# Altium PCB RTM_4SFP_3QSFP.PcbDoc (part 3 of 4) (continued)
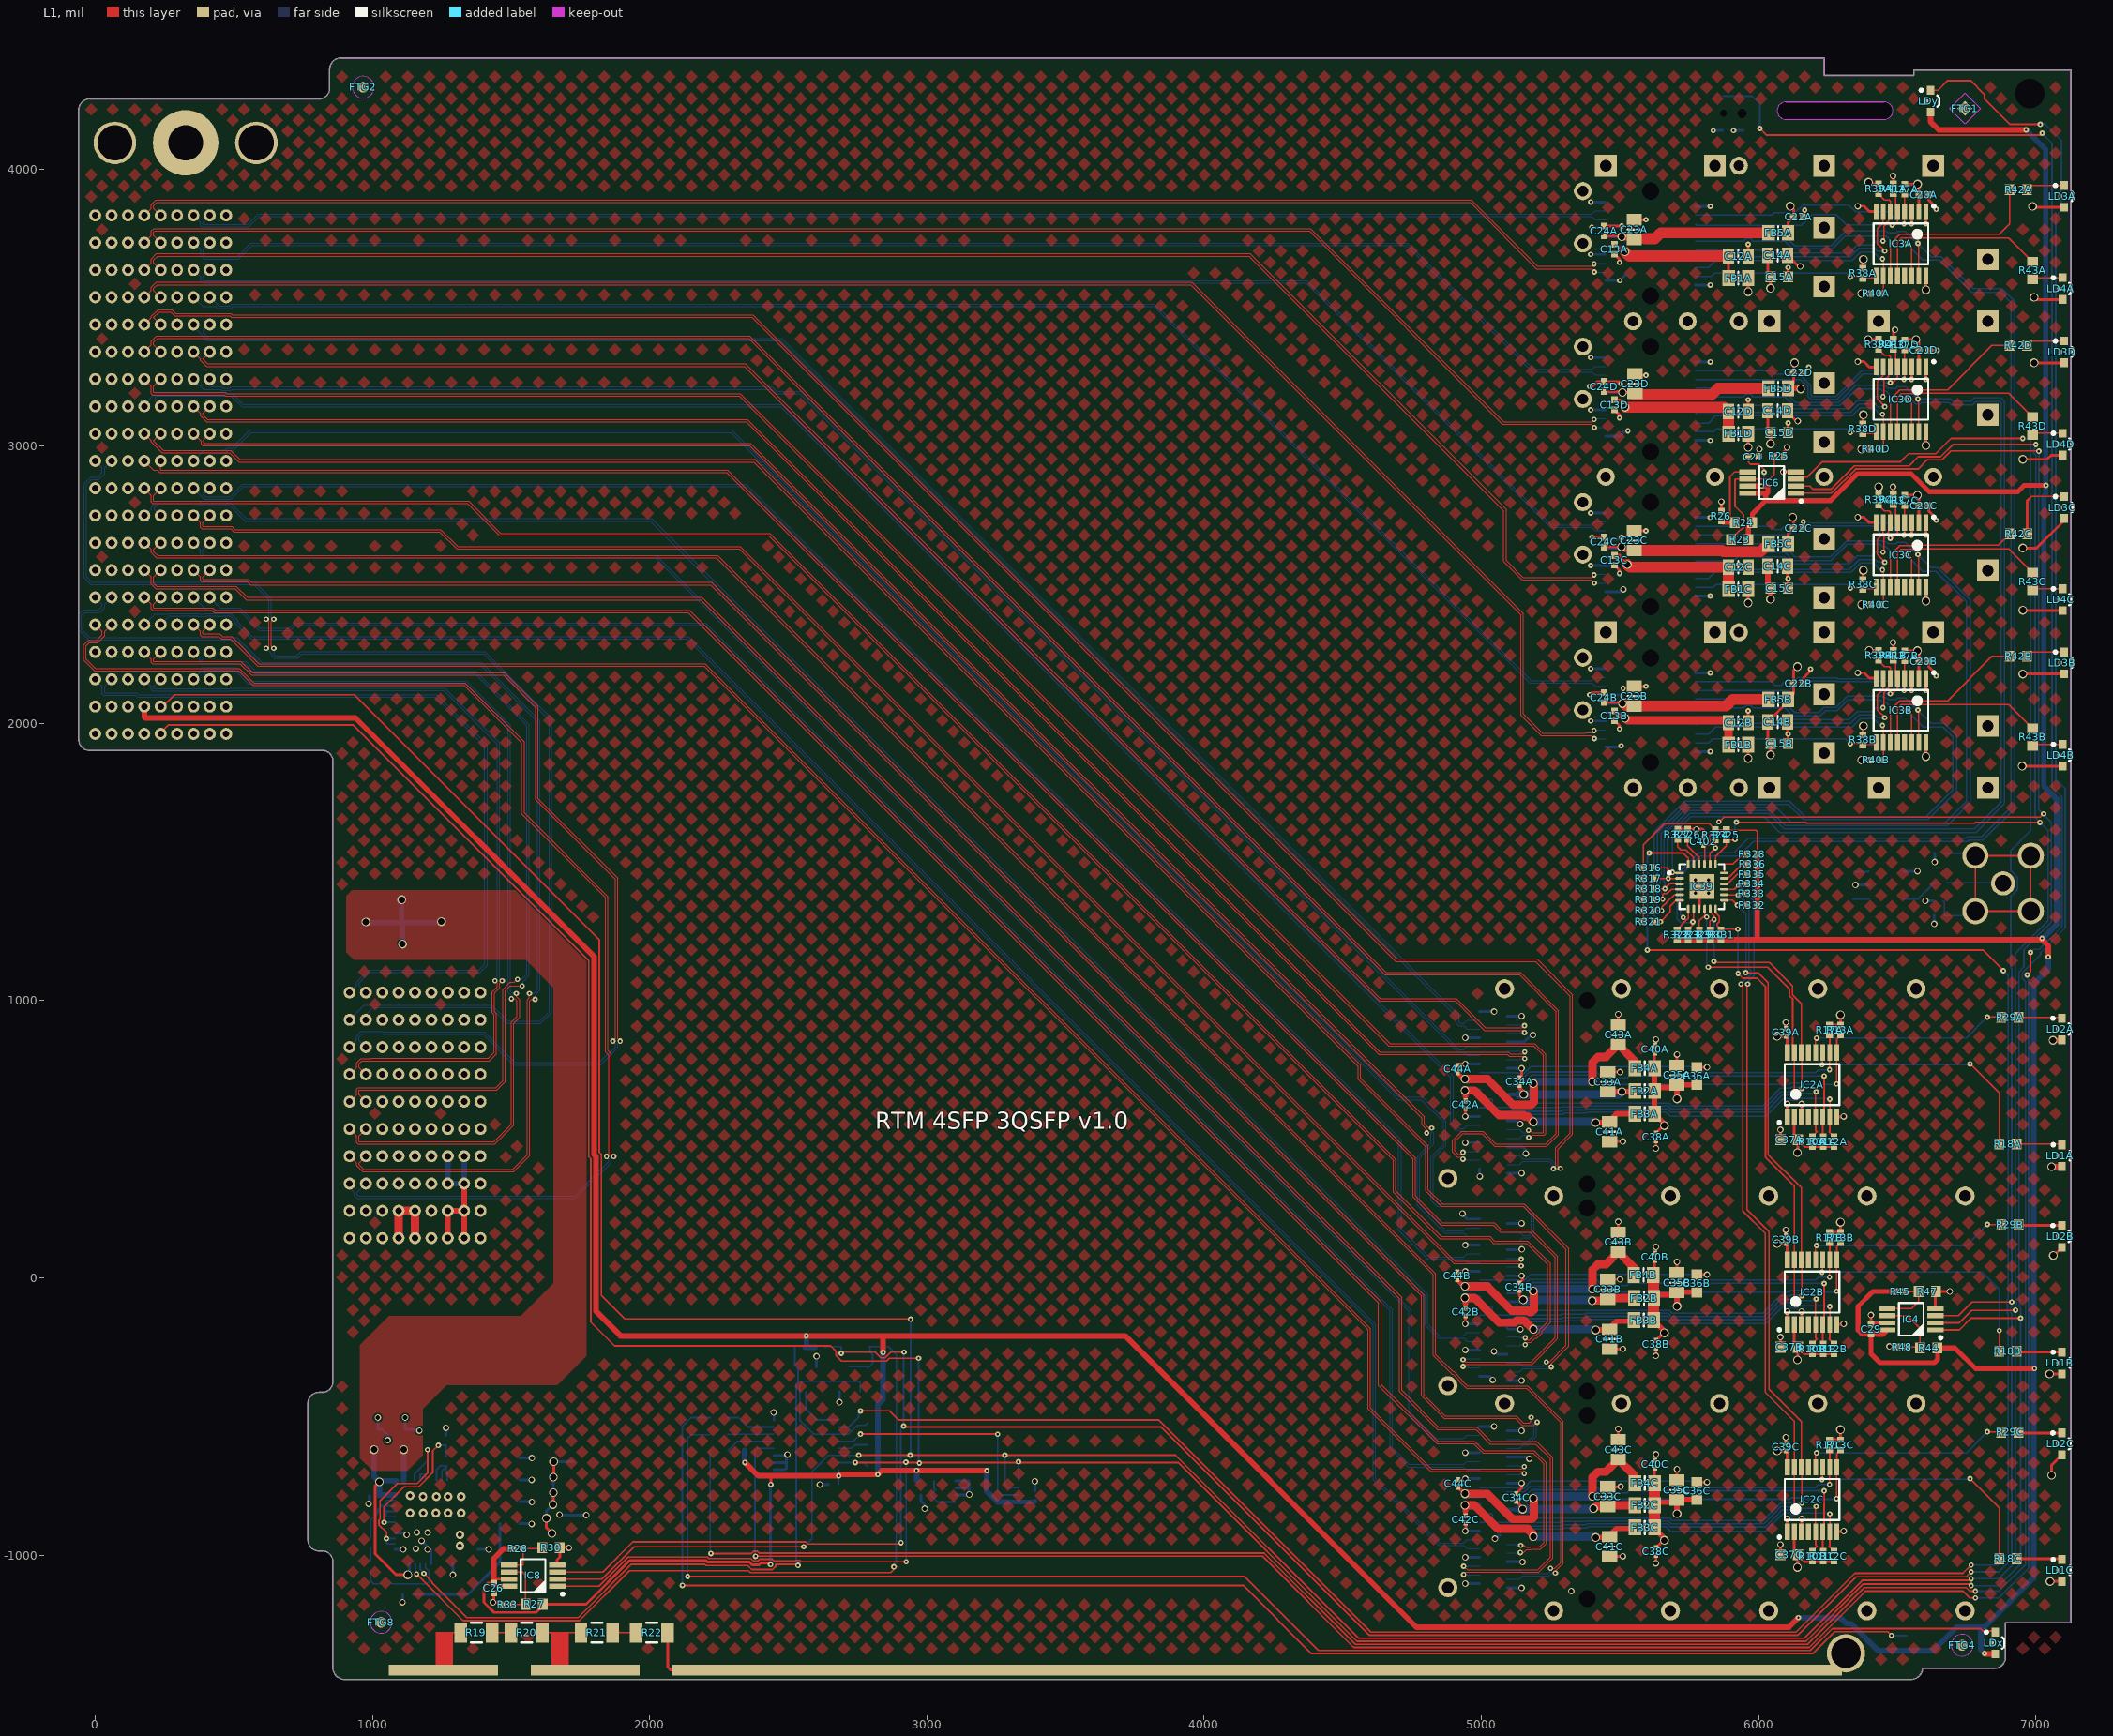
[diagram p0: L1 view]
## Nets (pads, with @x,y where several pads share a name; then routed paths per layer and width w, separated by ;. In a path a pad name is that pad's centre, name@x,y a point inside that pad or via, vN(x,y) a via of type N, cw(c..) or ccw(c..) an arc to the next point about the centre after c; other vN are vias at no path point) (continued)
NetIC2C_11: IC2C.11 R18C.1 | length 912.3
  L1 w5: v1(6229,-727.06) 6231.3,-724.76 IC2C.11@6231.3,-683.07 ; v1(6763,-724.06) 6867.76,-828.83 R18C.1@6867.76,-1012.8
  L4 w5: v1(6229,-727.06) 6760,-727.06 v1(6763,-724.06)
NetIC2C_12: IC2C.12 R29C.1 | length 751.3
  L1 w5: IC2C.12@6205.71,-683.07 6205.71,-634.35 v1(6209,-631.06) ; v1(6825,-555.06) 6873.93,-555.06 R29C.1@6874.97,-556.1
  L4 w5: v1(6209,-631.06) 6749,-631.06 v1(6825,-555.06)
NetIC3A_11: IC3A.11 R42A.1 | length 698.8
  L1 w5: IC3A.11@6475.39,3614.17 6475.39,3729.82 6509.63,3764.06 6560.52,3764.06 6561.05,3764.59 6868.59,3764.59 6905.47,3801.47 R42A.1@6905.47,3924.84
NetIC3A_12: IC3A.12 R43A.1 | length 652
  L1 w5: IC3A.12@6500.99,3614.17 6500.99,3737.21 6514.31,3750.53 6565.2,3750.53 6566.38,3751.71 6901.83,3751.71 R43A.1@6988.19,3665.35
NetIC3B_11: IC3B.11 R42B.1 | length 626.5
  L1 w5: IC3B.11@6475.39,1931.1 6475.39,2046.75 6509.63,2080.98 6560.52,2080.98 6561.05,2081.51 6681.68,2081.51 6841.94,2241.77 R42B.1@6905.47,2241.77
NetIC3B_12: IC3B.12 R43B.1 | length 652
  L1 w5: IC3B.12@6500.99,1931.1 6500.99,2054.13 6514.31,2067.46 6565.2,2067.46 6566.38,2068.64 6901.83,2068.64 R43B.1@6988.19,1982.28
NetIC3C_11: IC3C.11 R42C.1 | length 578.3
  L1 w5: IC3C.11@6475.39,2492.12 6475.39,2607.77 6509.63,2642.01 6560.52,2642.01 6561.05,2642.54 6865.04,2642.54 R42C.1@6906.5,2684
NetIC3C_12: IC3C.12 R43C.1 | length 652
  L1 w5: IC3C.12@6500.99,2492.12 6500.99,2615.16 6514.31,2628.48 6565.2,2628.48 6566.38,2629.66 6901.83,2629.66 R43C.1@6988.19,2543.31
NetIC3D_11: IC3D.11 R42D.1 | length 626.5
  L1 w5: IC3D.11@6475.39,3053.15 6475.39,3168.8 6509.63,3203.03 6560.52,3203.03 6561.05,3203.56 6681.68,3203.56 6841.94,3363.82 R42D.1@6905.47,3363.82
NetIC3D_12: IC3D.12 R43D.1 | length 652
  L1 w5: IC3D.12@6500.99,3053.15 6500.99,3176.18 6514.31,3189.51 6565.2,3189.51 6566.38,3190.69 6901.83,3190.69 R43D.1@6988.19,3104.33
NetIC4_5: IC4.5 R45.1 R47.2 | length 208.7
  L1 w5: IC4.5@6464.3,-110.61 6552.01,-110.61 6577.5,-85.12 R47.2@6577.5,-49 R45.1@6528.72,-49
NetIC4_6: IC4.6 R44.1 R48.2 | length 256.9
  L1 w6: IC4.6@6464.3,-136.2 6537.2,-136.2 6582.5,-181.5 R44.1@6582.5,-253 6578.5,-249 R48.2@6535.72,-249
NetIC6_5: IC6.5 R24.1 R26.2 | length 294.6
  L1 w6: R24.1@5914.5,2724.97 5896.48,2742.99 5896.48,2890.48 5913.39,2907.39 IC6.5@5960.39,2907.39
  L1 w17.72: R26.2@5866,2730.28 5871.32,2724.97 R24.1@5914.5,2724.97
NetIC6_6: IC6.6 R23.1 R25.2 | length 463
  L1 w6: R23.1@5900.5,2664 5900.5,2664.5 5933.28,2697.28 5935.53,2697.28 5946,2707.75 5946,2752.19 5915.19,2783 5915.19,2879.19 5917.8,2881.8 IC6.6@5960.39,2881.8 6040.11,2881.8 6056.28,2897.97 R25.2@6056.28,2964
NetIC8_5: IC8.5 R28.1 R30.2 | length 173.6
  L1 w5: IC8.5@1493.09,-1035.39 1542.61,-1035.39 1543.01,-1034.99 R28.1@1543.01,-976.96 R30.2@1608.52,-976.96
NetIC8_6: IC8.6 R27.1 R33.2 | length 216.1
  L1 w5: IC8.6@1493.09,-1060.98 1541.98,-1060.98 1551.8,-1070.8 R27.1@1551.8,-1176.96 1550.8,-1177.96 R33.2@1505.01,-1177.96
NetIC10_1: IC10.1 R73.1 R75.2 | length 160.4
  L4 w6: R73.1@3026.3,-731.45 3026.3,-760.56 3030.99,-765.25 R75.2@3013.61,-782.63 3039.21,-808.22 IC10.1@3103.05,-808.22
NetIC10_7: IC10.7 IC14.12 R74.1 | length 898.7
  L1 w6: v1(2760.55,-563.45) 3254.45,-563.45 v1(3255,-564)
  L4 w6: IC14.12@2680.56,-589.13 2734.87,-589.13 v1(2760.55,-563.45) R74.1@2786.94,-563.45 ; v1(3255,-564) 3255,-769 3268.63,-782.63 IC10.7@3331.4,-782.63
NetIC14_4: IC14.4 PB1.1 PB1.2 R16.2 | length 11874.5
  L1 w6: v1(2382,-1004) 4210.94,-1004 4539.94,-1333 6182.44,-1333 6385.44,-1130 6737.79,-1130 6762.24,-1154.45 v1(6781.99,-1154.45) ; v1(6005,4146) 6029,4122 7016,4122 v1(7023,4129) ; v1(6968.86,1092.84) 6981,1104.98 v1(6981,1174)
  L4 w6: v1(2382,-1004) 2382,-1009.49 2380.24,-1011.24 R16.2@2380.24,-622.7 2388.23,-614.72 IC14.4@2448.28,-614.72 ; PB1.2@5870.28,4262.79 PB1.1@5943.11,4262.79 5976.21,4262.79 6005,4234 v1(6005,4146) ; v1(6781.99,-1154.45) 6867,-1154.45 6973.84,-1047.61 6973.84,1078.02 6968.86,1083 ; 6965,1083 6968.86,1086.86 v1(6968.86,1092.84) ; v1(6981,1174) 6992.16,1185.16 7012.03,1185.16 7094,1267.13 7094,1735.87 7058.49,1771.38 7058.49,4092.51 7022,4129 v1(7023,4129)
NetIC14_9: IC14.9 T2.3 | length 195.3
  L4 w6: T2.3@2564.42,-410.98 2564.42,-474.42 2602.35,-512.35 IC14.9@2680.56,-512.35
NetIC14_13: IC14.13 R15.2 | length 111.7
  L4 w6: IC14.13@2680.56,-614.72 2728.28,-614.72 2741.08,-601.92 R15.2@2786.94,-601.92
NetIC39_18: IC39.18 R328.2 | length 131.7
  L1 w5: IC39.18@5876.38,1460.83 5876.38,1492.32 5907.87,1492.32 5939.17,1523.62 5939.17,1528.74 R328.2@5958.47,1528.74
NetIC39_22: IC39.22 R326.2 | length 106.7
  L1 w5: R326.2@5744.1,1581.77 5744.1,1559.06 5785.83,1517.33 IC39.22@5785.83,1492.32
NetIC39_23: IC39.23 R327.2 | length 123.5
  L1 w5: R327.2@5708.66,1581.77 5708.66,1556.31 5720.47,1544.5 5737.99,1544.5 5766.14,1516.35 IC39.23@5766.14,1492.32
NetJ2_e2: J2.E2 J2.F1
NetLD1A_1: LD1A.1 R18A.2 | length 164.5
  L1 w5: R18A.2@6930.76,483.27 7091.05,483.27 LD1A.1@7094,480.32
NetLD1B_1: LD1B.1 R18B.2 | length 164.5
  L1 w10: R18B.2@6930.76,-264.76 6933.71,-267.72 LD1B.1@7094,-267.72
NetLD1C_1: LD1C.1 R18C.2 | length 164.5
  L1 w10: R18C.2@6930.76,-1012.8 7091.05,-1012.8 LD1C.1@7094,-1015.75
NetLD2A_2: LD2A.2 R29A.2 | length 157.8
  L1 w5: R29A.2@6937.96,939.96 7091.54,939.96 LD2A.2@7094.49,937.01
NetLD2B_2: LD2B.2 R29B.2 | length 157.8
  L1 w10: R29B.2@6937.96,191.93 6940.91,188.98 LD2B.2@7094.49,188.98
NetLD2C_2: LD2C.2 R29C.2 | length 157.8
  L1 w10: R29C.2@6937.96,-556.1 6940.91,-559.06 LD2C.2@7094.49,-559.06
NetLD3A_1: LD3A.1 R42A.2 | length 140.4
  L1 w5: R42A.2@6968.46,3924.84 6984.21,3940.59 LD3A.1@7102.32,3940.59
NetLD3B_1: LD3B.1 R42B.2 | length 140.4
  L1 w5: R42B.2@6968.46,2241.77 6984.21,2257.52 LD3B.1@7102.32,2257.52
NetLD3C_1: LD3C.1 R42C.2 | length 258.7
  L1 w5: 6977.33,2811.67 6984.21,2818.54 LD3C.1@7102.32,2818.54
  L1 w10: R42C.2@6969.5,2684 6969.5,2803.83 6977.33,2811.67
NetLD3D_1: LD3D.1 R42D.2 | length 140.4
  L1 w5: R42D.2@6968.46,3363.82 6984.21,3379.57 LD3D.1@7102.32,3379.57
NetLD4A_2: LD4A.2 R43A.2 | length 110.5
  L1 w5: R43A.2@6988.19,3602.36 6993.74,3607.91 LD4A.2@7096.42,3607.91
NetLD4B_2: LD4B.2 R43B.2 | length 110.5
  L1 w5: R43B.2@6988.19,1919.29 6993.74,1924.84 LD4B.2@7096.42,1924.84
NetLD4C_2: LD4C.2 R43C.2 | length 110.5
  L1 w5: R43C.2@6988.19,2480.31 6993.74,2485.86 LD4C.2@7096.42,2485.86
NetLD4D_2: LD4D.2 R43D.2 | length 110.5
  L1 w5: R43D.2@6988.19,3041.34 6993.74,3046.89 LD4D.2@7096.42,3046.89
NetR4_1: R4.1 R5.2 | length 76.9
  L4 w6: R4.1@993.74,-1057.02 993.74,-1092.9 1004.32,-1103.48 R5.2@1030.35,-1103.48
NetR19_2: R19.2 R20.1 | length 67.5
  L1 w6: R19.2@1432.01,-1279.53 R20.1@1499.48,-1279.53
NetR21_2: R21.2 R22.1 | length 61.8
  L1 w6: 1889.76,-1277.56 1891.73,-1279.53 R22.1@1950.79,-1279.53
P2_BLUE: LDy.2 R7.2 | length 11201.2
  L1 w6: v1(2221,-994) 2366.77,-994 2374.61,-986.16 2389.39,-986.16 2396.23,-993 4216.91,-993 4545.91,-1322 6176.6,-1322 6381.6,-1117 6748.92,-1117 6761.69,-1129.76 v1(6781.99,-1129.76) ; LDy.2@6620,4284.37 6647.37,4284.37 6682,4319 6765.08,4319 6814.68,4269.41 6814.68,4253.16 6906.84,4161 v1(7016,4161)
  L4 w6: R7.2@2217.96,-622.71 2217.96,-990.96 v1(2221,-994) ; v1(6781.99,-1129.76) 6867,-1129.76 6962.84,-1033.92 6962.84,1068.92 6951.02,1080.74 6951.02,1100.23 7018,1167.21 7018,1174.16 7106,1262.16 7106,1765.02 7071.67,1799.35 7071.67,3829.7 7092,3850.03 7092,4104 7035,4161 v1(7016,4161)
P3_GREEN: LDx.2 R8.2 | length 5451.1
  L1 w6: v1(2137,-1077) 4145,-1077 4412,-1344 6187,-1344 6266,-1265 6800.97,-1265 6808.99,-1273.01 6849.78,-1273.01 LDx.2@6854.33,-1277.56
  L4 w6: v1(2137,-1077) 2137,-578 2149.74,-565.26 R8.2@2217.96,-565.26
P3V3: C1.2 C2.2 C3.2 C4.2 C5.1 C9.2 C14A.1 C14B.1 C14C.1 C14D.1 C15A.2 C15B.2 C15C.2 C15D.2 C20A.1 C20B.1 C20C.1 C20D.1 C22A.1 C22B.1 C22C.1 C22D.1 C35A.1 C35B.1 C35C.1 C36A.2 C36B.2 C36C.2 C37A.2 C37B.2 C37C.2 C38A.1 C38B.1 C38C.1 C39A.1 C39B.1 C39C.1 C40A.1 C40B.1 C40C.1 FB1A.1 FB1B.1 FB1C.1 FB1D.1 FB2A.1 FB2B.1 FB2C.1 FB3A.1 FB3B.1 FB3C.1 FB4A.1 FB4B.1 FB4C.1 FB5A.1 FB5B.1 FB5C.1 FB5D.1 IC1.12 IC1.13 IC1.14 IC1.15 IC1.16 IC1.17 IC1.18 IC1.19 IC1.20 IC1.21 IC2A.2 IC2A.16 IC2B.2 IC2B.16 IC2C.2 IC2C.16 IC3A.2 IC3A.16 IC3B.2 IC3B.16 IC3C.2 IC3C.16 IC3D.2 IC3D.16 LD1A.2 LD1B.2 LD1C.2 LD2A.1 LD2B.1 LD2C.1 LD3A.2 LD3B.2 LD3C.2 LD3D.2 LD4A.1 LD4B.1 LD4C.1 LD4D.1 R1.2 R10A.1 R10B.1 R10C.1 R11A.1 R11B.1 R11C.1 R12A.1 R12B.1 R12C.1 R13A.1 R13B.1 R13C.1 R17A.1 R17B.1 R17C.1 R37A.2 R37B.2 R37C.2 R37D.2 R38A.2 R38B.2 R38C.2 R38D.2 R39A.2 R39B.2 R39C.2 R39D.2 R40A.2 R40B.2 R40C.2 R40D.2 | length 7628
  L1 w10: v3(1627.61,-866.93) 1627.61,-901.42 v3(1647.61,-921.42) ; v3(1650.61,-817.42) 1652.61,-815.42 v3(1652.61,-774.42) ; v3(1652.61,-718.42) 1653.61,-717.42 v3(1653.61,-662.89) ; FB4C.1@5624.43,-730.63 C40C.1@5624.43,-685.62 ; FB4B.1@5624.43,17.4 C40B.1@5624.43,62.41 ; FB4A.1@5624.43,756.91 C40A.1@5624.43,810.44 ; C38C.1@5630,-973.28 5656.89,-946.39 v3(5660,-946.39) ; C38B.1@5630,-225.25 5656.89,-198.36 v3(5660,-198.36) ; C38A.1@5630,522.78 5656.89,549.67 v3(5660,549.67) ; v3(5962.6,1873.93) FB1B.1@5962.6,1923.23 ; v3(5962.6,2434.96) FB1C.1@5962.6,2484.25 ; v3(5962.6,2995.98) FB1D.1@5962.6,3045.27 ; v3(5962.6,3557.01) FB1A.1@5962.6,3606.3 ; C14D.1@6033.47,3127.95 6033.47,3059.05 C15D.2@6043.31,3049.21 v3(6043.31,3008.78) ; C14A.1@6033.47,3688.98 6033.47,3620.08 C15A.2@6043.31,3610.24 v3(6043.31,3569.8) ; v3(6043.31,1886.73) C15B.2@6043.31,1927.16 6033.47,1937.01 C14B.1@6033.47,2005.9 6106.3,2078.74 FB5B.1@6106.3,2086.61 6125.99,2106.3 C22B.1@6125.99,2143.7 6125.99,2190.49 v3(6140.19,2204.69) ; v3(6066.93,-624.02) C39C.1@6098.43,-624.02 6103.35,-628.94 IC2C.16@6103.35,-683.07 ; v3(6066.93,124.02) C39B.1@6098.43,124.02 6103.35,119.09 IC2B.16@6103.35,64.96 ; v3(6066.93,872.05) C39A.1@6098.43,872.05 6103.35,867.13 IC2A.16@6103.35,812.99 ; FB5C.1@6106.3,2647.64 6106.3,2685.04 C22C.1@6125.99,2704.72 6125.99,2751.51 6123,2748.53 v3(6123,2744.09) ; FB5D.1@6106.3,3208.66 6125.99,3228.35 C22D.1@6125.99,3265.75 6125.99,3297.02 v3(6129.96,3301) ; FB5A.1@6106.3,3769.68 6106.3,3807.09 C22A.1@6125.99,3826.77 6125.99,3854.01 v3(6114,3866) ; IC2C.2@6128.94,-915.35 6128.94,-985.5 C37C.2@6141.5,-998.06 ; IC2B.2@6128.94,-167.32 6128.94,-237.47 C37B.2@6141.5,-250.03 ; IC2A.2@6128.94,580.71 6128.94,510.56 C37A.2@6141.5,498 ; v3(6140.19,-1044.06) 6141.5,-1042.76 C37C.2@6141.5,-998.06 ; v3(6140.19,-296.03) 6141.5,-294.72 C37B.2@6141.5,-250.03 ; v3(6140.19,452) 6141.5,453.31 C37A.2@6141.5,498 ; R17C.1@6255.91,-583.86 R13C.1@6295.28,-583.86 v3(6295.28,-547.24) ; R17B.1@6255.91,164.17 R13B.1@6295.28,164.17 v3(6295.28,200.79) ; R17A.1@6255.91,912.2 R13A.1@6295.28,912.2 v3(6295.28,948.82) ; R12C.1@6271.65,-1022.44 R11C.1@6232.78,-1022.44 6165.87,-1022.44 C37C.2@6141.5,-998.06 ; R12B.1@6271.65,-274.41 R11B.1@6232.78,-274.41 6165.87,-274.41 C37B.2@6141.5,-250.03 ; R12A.1@6271.65,473.62 R11A.1@6232.78,473.62 6165.87,473.62 C37A.2@6141.5,498 ; v3(6372.04,1867.75) R40B.2@6404.68,1867.75 ; v3(6372.04,2428.78) R40C.2@6404.68,2428.78 ; v3(6372.04,2989.8) R40D.2@6404.68,2989.8 ; v3(6372.04,3550.83) R40A.2@6404.68,3550.83 ; R38B.2@6375.94,1959.09 6375.94,1989.13 v3(6377.95,1991.14) ; R38C.2@6375.94,2520.12 6375.94,2550.15 v3(6377.95,2552.16) ; R38D.2@6375.94,3081.14 6375.94,3111.18 v3(6377.95,3113.19) ; R38A.2@6375.94,3642.16 6375.94,3672.2 v3(6377.95,3674.21) ; v3(6395.63,3384.29) 6431.06,3384.29 R39D.2@6433.03,3386.26 ; v3(6396.66,3952) 6401.38,3947.28 R39A.2@6433.03,3947.28 ; v3(6399,2263.42) 6424.47,2263.42 R39B.2@6425.26,2264.21 ; 6417.49,2264.21 R39B.2@6425.26,2264.21 ; R39C.2@6431.06,2823.27 R39C.2@6433.03,2825.23 6433.03,2852.98 v3(6433.08,2853.03) ; R39B.2@6433.03,2264.21 R39B.2@6425.26,2264.21 ; R37B.2@6527.52,2262.24 v3(6572.76,2262.24) 6578.74,2256.26 C20B.1@6578.74,2224.41 6577.76,2223.42 IC3B.2@6577.76,2163.38 ; R37C.2@6527.52,2823.27 v3(6572.78,2823.27) 6577.76,2818.29 IC3C.2@6577.76,2724.41 ; R37D.2@6527.52,3384.29 v3(6567.92,3384.29) 6578.74,3373.47 C20D.1@6578.74,3346.46 6578.74,3286.42 IC3D.2@6577.76,3285.43 ; R37A.2@6527.52,3945.31 v3(6573.8,3945.31) 6578.74,3940.37 6578.74,3923.93 6577.76,3922.94 IC3A.2@6577.76,3846.46 ; v3(6603.35,1880.82) IC3B.16@6603.35,1931.1 ; v3(6603.35,2441.85) IC3C.16@6603.35,2492.12 ; v3(6603.35,3002.87) IC3D.16@6603.35,3053.15 ; v3(6603.35,3563.9) IC3A.16@6603.35,3614.17 ; v3(6951.02,1846.32) 6951.24,1846.1 LD4B.1@7096.42,1846.1 ; v3(6953,2178.2) 6953.58,2178.78 LD3B.2@7102.32,2178.78 ; v3(6953,2408.61) 6954.48,2407.12 LD4C.1@7096.42,2407.12 ; v3(6953,2632.87) 7002.84,2632.87 7102.32,2732.36 LD3C.2@7102.32,2739.8 ; v3(6953,2952.76) 7040.36,2952.76 7055.13,2967.52 7095.79,2967.52 LD4D.1@7096.42,2968.15 ; v3(6988.19,3865.16) 6991.5,3861.85 LD3A.2@7102.32,3861.85 ; v3(6993.74,3301) 6993.91,3300.83 LD3D.2@7102.32,3300.83 ; v3(6993.74,3537.4) 7001.97,3529.17 LD4A.1@7096.42,3529.17 ; v3(7049.46,-346.46) LD1B.2@7094,-346.46 ; v3(7051,-1095) 7051.51,-1094.49 LD1C.2@7094,-1094.49 ; v3(7057.09,-711.69) 7057.09,-675.2 LD2C.1@7094.49,-637.8 ; v3(7063,81) 7065.25,81 LD2B.1@7094.49,110.24
  L1 w19.68: FB3C.1@5624.43,-904.06 5660,-939.63 v3(5660,-946.39) ; FB3B.1@5624.43,-156.03 5660,-191.6 v3(5660,-198.36) ; FB4A.1@5624.43,756.91 FB2A.1@5624.43,674.45 ; FB2C.1@5636.94,-809.11 5697.05,-809.11 C35C.1@5705.66,-800.5 ; FB2B.1@5636.94,-61.08 5697.05,-61.08 C35B.1@5705.66,-52.46 ; v3(5660,549.67) 5660,556.43 FB3A.1@5624.43,592 FB2A.1@5624.43,674.45 ; v3(5705.66,-850.41) C35C.1@5705.66,-800.5 ; v3(5705.66,-102.37) C35B.1@5705.66,-52.46 ; v3(5705.66,645.66) C35A.1@5705.66,695.57 ; C36C.2@5777.69,-799.56 5706.59,-799.56 C35C.1@5705.66,-800.5 ; C36B.2@5777.69,-51.53 5706.59,-51.53 C35B.1@5705.66,-52.46 ; C36A.2@5777.69,696.5 5706.59,696.5 C35A.1@5705.66,695.57 ; v3(7057.09,401) 7057.66,401.58 LD1A.2@7094,401.58 ; v3(7062,857) 7093.22,857 LD2A.1@7094.49,858.27 ; FB2A.1@5624.43,674.45 5636.94,686.95 5697.05,686.95 C35A.1@5705.66,695.57
  L1 w20: C14C.1@6033.47,2566.93 6033.47,2498.03 C15C.2@6043.31,2488.19 v3(6043.31,2447.75) ; FB5D.1@6106.3,3208.66 6150.34,3208.66 v3(6152,3207)
  L1 w40: FB4B.1@5620.43,11 5620.43,-151 FB3B.1@5621.43,-152 ; FB3C.1@5624.43,-900 FB2C.1@5624.43,-820 FB4C.1@5624.43,-740
  L4 w10: R1.2@1147.27,-1141.66 1344.24,-1141.66 1460.28,-1025.63 C1.2@1460.28,-885.96 ; v3(1627.61,-866.93) 1627.61,-840.42 v3(1650.61,-817.42) ; v3(1652.61,-774.42) v3(1652.61,-718.42) ; v3(1653.61,-662.89) 1653.97,-662.53 C5.1@1726.02,-662.53 ; v3@7048,-345 v3(7049.46,-346.46)
P3V3MP: C21.1 C25.1 C26.1 C27.1 C29.1 C402.2 IC4.8 IC6.7 IC6.8 IC8.7 IC8.8 IC10.8 IC14.16 IC39.21 J2.C2 LDx.1 LDy.1 LED17.A R14.1 R15.1 R16.1 R23.2 R24.2 R27.2 R28.2 R31.1 R32.1 R34.1 R35.1 R36.1 R44.2 R45.2 R46.1 R73.2 R74.2 R316.2 R317.2 R318.2 R319.2 R320.2 R321.2 R322.2 R323.2 R324.2 R325.2 R328.1 R329.2 R330.2 R331.2 R332.2 R333.2 R334.2 R335.2 R336.2 | length 24279.3
  L1 w5: R321.2@5584.67,1285.43 R317.2@5584.67,1441.14 R316.2@5584.67,1480.31 5584.67,1562.29 5661.07,1638.7 5822.73,1638.7 R324.2@5844.5,1616.93 ; R323.2@5745.47,1219.49 R330.2@5826.57,1219.49 R331.2@5864.38,1219.49 5864.44,1219.43 5894,1219.43 ; IC39.21@5805.51,1492.32 5805.51,1556.69 C402.2@5801.18,1561.03 5824.81,1561.03 5824.81,1563.96 5823.79,1564.98 5823.79,1595.88 5824.81,1596.9 5824.81,1597.24 R324.2@5844.5,1616.93 ; R328.1@5995.47,1528.74 5995.47,1609.69 5990.51,1614.66 5886.33,1614.66 R325.2@5884.06,1616.93 R324.2@5844.5,1616.93
  L1 w6: C21.1@5964.28,2961 5964.28,2940.92 5970.2,2935 6001,2935 6020,2916 v1(6020,2906)
  L1 w10: 1437.29,-1083.13 1440.72,-1086.57 IC8.7@1493.09,-1086.57 ; IC8.8@1493.09,-1112.16 1448.2,-1112.16 C26.1@1437.29,-1101.24 1415.31,-1101.24 1402,-1114.55 1402,-1170 1438.65,-1206.65 1590.35,-1206.65 1614.79,-1182.21 R27.2@1614.79,-1176.96 1770.74,-1176.96 1927.69,-1020.01 2203.4,-1020.01 2208.22,-1024.84 2359.22,-1024.84 2369.22,-1034.84 2394.78,-1034.84 2401.62,-1028 2430,-1028 v1(2436,-1034) ; 2435,-714 2437,-716 v1(2437,-745.26)
  L1 w17.72: IC6.8@5960.39,2830.61 6020.39,2830.61 6026,2825 ; IC6.7@5960.39,2856.2 v1(6011.2,2856.2) 6033.47,2856.2 6033.47,2832.47 6026,2825 ; R23.2@5963.5,2664 5963.5,2710.97 R24.2@5977.5,2724.97 5977.5,2755.76 6026,2804.26 ; IC4.8@6464.3,-187.39 6447.57,-204.12 6428.06,-204.12 6426.1,-202.15 C29.1@6406.02,-202.15 ; R45.2@6493.28,-49 6412.27,-49 6359,-102.27 6359,-188 6373.15,-202.15 C29.1@6406.02,-202.15 ; v1(6995,-327) 6782.45,-327 6708.45,-253 R44.2@6645.5,-253 6645.5,-294.56 6634.05,-306 6438.26,-306 6406.02,-273.76 C29.1@6406.02,-202.15 ; v1(7037,2859) 6958,2859 6935,2836 6615,2836 6550,2901 6357,2901 6260.26,2804.26 6026,2804.26 ; 6026,2804.26 6026,2825
  L1 w20: J2.C2@177.17,2061.02 177.17,2023.78 180.95,2020 938.46,2020 1799,1159.46 1799,445.65 1806.72,437.93 1806.72,-120.72 1895,-209 v1(2565,-209) 2842,-209 ; C26.1@1437.29,-1101.24 1437.29,-1083.13 1437.29,-1012.67 1473,-976.96 R28.2@1507.57,-976.96 ; v1(2343.24,-665.76) 2391.47,-714 2435,-714 v1(2682,-714) 2687,-709 v1(2823,-709) 2837,-695 v1(3216,-695) ; v1(2842,-269) 2842,-209 ; R322.2@5705.84,1219.49 5706.82,1220.47 5995.47,1220.47 R332.2@5995.47,1344.68 R328.1@5995.47,1528.74 ; 5894,1219.43 7023.57,1219.43 7045.13,1197.87 v1(7045.13,1158) ; v1(6143.7,-1225.44) 6109.14,-1260 4766,-1260 3715,-209 2842,-209 ; LDy.1@6620,4205.63 6620,4171 6650,4141 v1(6965,4141) ; v1(6815,-1354.33) 6816.97,-1356.3 LDx.1@6854.33,-1356.3
  L4 w6: C27.1@2680.56,-743.65 IC14.16@2680.56,-691.49 ; v1(6011.2,2856.2) 6020,2865 v1(6020,2906)
  L4 w10: v1(2436,-1034) 2436,-746.26 v1(2437,-745.26)
  L4 w17.72: 3294,-808.22 IC10.8@3331.4,-808.22 3386.5,-808.22 C25.1@3390,-804.72
  L4 w20: v1(2343.24,-665.76) R16.1@2343.24,-622.7 ; R46.1@2560.29,-250.5 R46.1@2565,-245.78 ; v1(2565,-209) R46.1@2565,-245.78 ; R34.1@2596.11,-250.5 2569.71,-250.5 R46.1@2565,-245.78 ; v1(2823,-709) 2823,-697 2823.16,-696.84 2823.16,-601.92 R14.1@2823.16,-523.18 R36.1@2823.16,-479.63 2823.16,-456.84 2841.66,-438.34 R35.1@2841.66,-307.63 2841.66,-269.34 v1(2842,-269) ; v1(2963,-694) 2963.31,-694.31 R73.2@2963.31,-731.45 ; v1(3216,-695) 3216,-770 3254.22,-808.22 3294,-808.22 ; v1(6143.7,-1225.44) 6294.86,-1225.44 6316.7,-1247.28 6334.28,-1247.28 6432,-1345 LED17.A@6535,-1345 6629,-1345 6713.53,-1260.47 6796.45,-1260.47 ; v1(6815,-1354.33) 6801.93,-1341.26 6801.93,-1265.95 6796.45,-1260.47 ; v1(6965,4141) 7035.84,4070.16 7035.84,2826.18 7029,2819.34 7029,1774 7075,1728 7075,1275 v1@7023.5,1223.5 ; v1(7045.13,1158) 7045.13,1113.94 6992.14,1060.96 6992.14,-1081.86 6813.53,-1260.47 6796.45,-1260.47
  other v1: 7022,1225
P4_RED: LED17.K R9.2 | length 5244.3
  L1 w6: v1(2118,-1109) 4141,-1109 4387,-1355 6195,-1355 6274,-1276 6465,-1276 v1(6479,-1290)
  L4 w6: v1(2118,-1109) 2118,-535 2149.31,-503.69 R9.2@2217.96,-503.69 ; v1(6479,-1290) LED17.K@6535,-1290
P7V0_URFB: J8.E7 J8.E8 J8.E9 J8.E10 J8.F7 J8.F8 J8.F9 J8.F10 | length 610.2
  L1 w19.68: J8.E10@1271.65,143.7 J8.E9@1271.65,242.13 J8.F9@1330.71,242.13 ; J8.F10@1330.71,143.7 J8.F9@1330.71,242.13 ; J8.F8@1330.71,340.55 J8.F9@1330.71,242.13
  L4 w19.68: J8.E7@1271.65,438.98 J8.E8@1271.65,340.55 J8.F8@1330.71,340.55 J8.F7@1330.71,438.98
P12V0: C6.2 C7.2 C8.2 F1.2 IC1.1 IC1.2 IC1.39 IC1.52 | length 1300.3
  L1 w10: v3(1025.24,-735.62) 1009.08,-751.77 1009.08,-994.59 1085.53,-1071.05 v3(1127.58,-1071.05)
  L1 w20: v3@1105.44,1207.1 v3(1108.27,1204.27)
  L4 w10: 1080.34,-731.43 IC1.1@1093.13,-731.43 ; v3@1132.5,-1066.12 1132.5,-1054.27 IC1.39@1132.5,-1030.64
  L4 w20: v3(976.38,1284.33) 979.21,1281.5 F1.2@1108.27,1281.5 ; v3(1005.55,-619.47) 1005.55,-715.93 1021.05,-731.43 1080.34,-731.43 ; v3(1025.24,-735.62) C8.2@1025.24,-784.58 1027.21,-782.61 IC1.52@1081.32,-782.61 ; v3(1105.44,1364.37) 1105.44,1284.33 F1.2@1108.27,1281.5 ; v3(1108.27,1204.27) F1.2@1108.27,1281.5 ; IC1.2@1112.82,-731.43 v3(1112.82,-619.47) ; v3(1249,1285.43) 1245.07,1281.5 F1.2@1108.27,1281.5
QSFP_SCLA: IC2A.14 IC39.11 J5A.11 R330.1 | length 2043.2
  L1 w5: IC39.11@5825.2,1330.9 5825.2,1320.78 5832.34,1313.64 5832.34,1312.93 ; R330.1@5826.57,1256.5 5825.2,1257.87 5825.2,1286.26 v1@5832.34,1293.4 ; 6016,1138 6039,1138 6123,1054 6123,1021 6154.53,989.47 IC2A.14@6154.53,812.99 6162.76,804.76 6162.76,804 6156,797.24 v1(6156,684)
  L1 w6: 5831.99,1313.28 5832.34,1312.93 5839.6,1305.67 5839.6,1293.4 v1(5840,1293) ; v1(5839,1142) 5843,1138 6016,1138
  L4 w5: J5A.11@5092.72,629.92 5678.6,629.92 5688.11,620.41 6015.33,620.41 6056,661.08 6056,662.08 6077.92,684 6113.5,684 6116.85,687.34 6152.66,687.34 v1(6156,684)
  L4 w6: v1(5839,1142) 5839,1292.37 5839.63,1293 v1(5840,1293)
QSFP_SCLB: IC2B.14 IC39.13 J5B.11 R332.1 | length 2723.2
  L1 w5: IC39.13@5876.38,1362.4 5905.71,1362.4 v1(5923.43,1344.68) R332.1@5958.47,1344.68 ; v1(5954.23,1101) 5999,1101 6035.15,1064.85 6035.15,444.85 6154.53,325.47 IC2B.14@6154.53,64.96 6162.76,56.73 6162.76,55.97 6156,49.21 v1(6156,-64.03)
  L4 w5: J5B.11@5092.72,-118.11 5678.6,-118.11 5688.11,-127.62 6015.33,-127.62 6056,-86.95 6056,-85.95 6077.92,-64.03 6113.5,-64.03 6116.85,-60.69 6152.66,-60.69 v1(6156,-64.03) ; v1(5923.43,1344.68) 5954.23,1313.88 v1(5954.23,1101)
QSFP_SCLC: IC2C.14 IC39.15 J5C.11 R334.1 | length 3526.9
  L1 w5: IC39.15@5876.38,1401.77 5912.21,1401.77 v1@5926.72,1416.28 ; v1@5931.9,1421.46 R334.1@5957.28,1421.46 ; v1(5961,1060.04) 5958,1057.04 5958,247 6038,167 6038,-401 6154.53,-517.53 IC2C.14@6154.53,-683.07 6162.76,-691.3 6162.76,-692.06 6156,-698.82 v1(6156,-812.06)
  L4 w5: J5C.11@5092.72,-866.14 5678.6,-866.14 5688.11,-875.65 6015.33,-875.65 6056,-834.98 6056,-833.98 6077.92,-812.06 6113.5,-812.06 6116.85,-808.72 6152.66,-808.72 v1(6156,-812.06) ; v1(5928,1415) 5983.5,1359.5 5983.5,1090.19 5961,1067.69 v1(5961,1060.04)
QSFP_SDAA: IC2A.15 IC39.10 J5A.12 R329.1 | length 2074.7
  L1 w5: R329.1@5786.42,1256.5 5786.42,1287.78 v1@5805.51,1306.88 ; IC39.10@5805.51,1330.9 v1@5805.51,1306.88 ; v1(5813,1302) 5812.39,1302 5811.39,1301 v1@5805.51,1306.88 ; v1(5818.29,1121) 6033,1121
  L1 w6: 6033,1121 6112.5,1041.5 6112.5,1016.65 6123.5,1005.65 6123.5,818.43 IC2A.15@6128.94,812.99 6128.94,658.06 v1(6129,658)
  L4 w5: v1(5818.29,1121) 5813,1126.29 v1(5813,1302) 5817.29,1302 v1@5818.29,1301
  L4 w6: J5A.12@5092.72,598.43 5095.3,601 5289.56,601 5294.19,605.63 5377.05,605.63 5380.85,609.42 5670.1,609.42 5681.62,597.91 6024.65,597.91 6078.5,651.76 6078.5,652.76 6085.24,659.5 6094.76,659.5 6095.41,658.86 6116.52,658.86 6121.38,654 6125.38,658 v1(6129,658)
QSFP_SDAB: IC2B.15 IC39.12 J5B.12 R331.1 | length 2689.6
  L1 w5: IC39.12@5844.88,1330.9 5844.88,1316.65 5858.34,1303.19 5858.34,1285.4 5849.67,1276.73 5849.67,1271.2 R331.1@5864.38,1256.5
  L1 w6: R331.1@5864.38,1256.5 5865.88,1258 v1(5925,1258) ; v1(5926,1098) 5943,1081 5995.07,1081 6024.65,1051.42 6024.65,435.35 6128.94,331.06 IC2B.15@6128.94,64.96 6128.94,-89.97 v1(6129,-90.03)
  L4 w6: J5B.12@5092.72,-149.61 5095.3,-147.03 5289.56,-147.03 5294.19,-142.4 5377.05,-142.4 5380.85,-138.61 5670.1,-138.61 5681.62,-150.12 6024.65,-150.12 6078.5,-96.27 6078.5,-95.27 6085.24,-88.53 6094.76,-88.53 6095.41,-89.17 6116.52,-89.17 6121.38,-94.03 6125.38,-90.03 v1(6129,-90.03) ; v1(5925,1258) 5925,1099 v1(5926,1098)
QSFP_SDAC: IC2C.15 IC39.14 J5C.12 R333.1 | length 3495
  L1 w5: IC39.14@5876.38,1382.09 5927.17,1382.09 5952.56,1382.09 R333.1@5957.28,1386.81
  L1 w6: v1(5936,1060) 5940.04,1060 5943.16,1056.88 5943.16,241.84 6024,161 6024,-412.46 6128.94,-517.4 IC2C.15@6128.94,-683.07 6128.94,-838 v1(6129,-838.06)
  L4 w6: J5C.12@5092.72,-897.64 5095.3,-895.06 5289.56,-895.06 5294.19,-890.43 5377.05,-890.43 5380.85,-886.64 5670.1,-886.64 5681.62,-898.15 6024.65,-898.15 6078.5,-844.3 6078.5,-843.3 6085.24,-836.56 6094.76,-836.56 6095.41,-837.2 6116.52,-837.2 6121.38,-842.06 6125.38,-838.06 v1(6129,-838.06) ; v1(5927.17,1381) 5964.73,1343.44 5964.73,1115.73 5972.07,1108.39 5972.07,1093.61 5961.62,1083.16 5958.89,1083.16 5936,1060.27 v1(5936,1060)
QSFP_VCC1A: C43A.1 C44A.1 FB4A.2 J5A.30 | length 952.8
  L1 w15.75: C44A.1@4914,739.22 v3@4927.44,725.78 ; v3@4940.51,716.54 v3@4941.51,716.54
  L1 w30: v3(4940.51,717.54) 5021.46,717.54 5115,624 5179.14,624 5189,633.86 5189,699 v3(5187.01,700.99) ; v3(5401,708) 5401,777 5421,797 5449.43,797 C43A.1@5494,841.57 5551.09,784.47 5551.09,756.91 FB4A.2@5553.57,756.91
  L4 w13.78: v3@4950.46,708.66 J5A.30@4993.9,708.66
  L4 w19.68: v3(4940.51,717.54) 4949.39,708.66 v3@4950.46,708.66
  L4 w30: v3(5187.01,700.99) 5194.03,708 v3(5401,708)
QSFP_VCC1B: C43B.1 C44B.1 FB4B.2 J5B.30 | length 952.8
  L1 w15.75: C44B.1@4914,-8.81 v3@4927.44,-22.25 ; v3@4940.51,-31.5 v3@4941.51,-31.5
  L1 w30: v3(4940.51,-30.5) 5021.46,-30.5 5109.16,-118.19 5168.67,-118.19 5174.52,-124.03 5179.14,-124.03 5189,-114.17 5189,-49.03 v3(5187.01,-47.05) ; v3(5401,-40.03) 5401,28.97 5421,48.97 5449.43,48.97 C43B.1@5494,93.54 5551.09,36.44 5551.09,11 5551.09,8.87 FB4B.2@5553.57,8.87
  L4 w13.78: v3@4950.46,-39.37 J5B.30@4993.9,-39.37
  L4 w19.68: v3(4940.51,-30.5) 4949.39,-39.37 v3@4950.46,-39.37
  L4 w30: v3(5187.01,-47.05) 5194.03,-40.03 v3(5401,-40.03)
QSFP_VCC1C: C43C.1 C44C.1 FB4C.2 J5C.30 | length 965
  L1 w13.78: C44C.1@4916,-755.78 4917.76,-755.78 v3(4940.51,-778.53)
  L1 w30: v3(4940.51,-778.53) 5021.46,-778.53 5113.01,-870.07 5181.13,-870.07 5189,-862.2 5189,-797.06 v3(5187.01,-795.08) ; v3(5401,-788.06) 5401,-719.06 5421,-699.06 5449.43,-699.06 C43C.1@5494,-654.5 5551.09,-711.59 5551.09,-739.16 FB4C.2@5553.57,-739.16
  L4 w13.78: v3(4940.51,-778.53) 4949.39,-787.4 J5C.30@4993.9,-787.4
  L4 w30: v3(5187.01,-795.08) 5194.03,-788.06 v3(5401,-788.06)
QSFP_VCCRXA: C33A.1 C34A.1 FB2A.2 J5A.10 | length 567.3
  L1 w13.78: C34A.1@5138.41,694.22 5138.41,683.8 5156.89,665.31 5160.79,661.42 v3(5153,661.42)
  L1 w19.68: C33A.1@5456,671.57 5507,671.57 5550.68,671.57 FB2A.2@5553.57,674.45
  L4 w13.78: J5A.10@5092.72,661.42 5136.16,661.42
  L4 w30: 5136.16,661.42 v3(5153,661.42) 5496.42,661.42 v3(5507,672)
QSFP_VCCRXB: C33B.1 C34B.1 FB2B.2 J5B.10 | length 517
  L1 w10: C34B.1@5136.97,-45.78 5136.97,-64.71 v3(5151,-78.74)
  L1 w30: v3(5400,-82) 5456,-82 C33B.1@5466,-82 ; C33B.1@5456,-76.46 5459.46,-73 FB2B.2@5551.57,-73
  L4 w10: J5B.10@5092.72,-86.61 5143.13,-86.61 v3(5151,-78.74)
  L4 w30: v3(5151,-78.74) 5155.05,-82.79 5201.82,-82.79 5205.87,-78.74 5396.74,-78.74 v3(5400,-82)
QSFP_VCCRXC: C33C.1 C34C.1 FB2C.2 J5C.10 | length 489.3
  L1 w10: C34C.1@5126.09,-805.78 5139.81,-819.5 v3@5139.81,-821.98
  L1 w30: v3(5405,-832) 5412.5,-824.5 C33C.1@5456,-824.5 5460.5,-820 FB2C.2@5553.57,-820
  L4 w13.78: J5C.10@5092.72,-834.65 v3@5136.16,-834.65
  L4 w30: v3@5136.16,-834.65 5136.81,-834 v3(5149,-834) 5401.71,-834 5402.35,-834.65 v3(5405,-832)
QSFP_VCCTXA: C41A.1 C42A.1 FB3A.2 J5A.29 | length 765.2
  L1 w15.75: C42A.1@4943,638.78 4943,655.51
  L1 w19.68: v3(4940.51,676) 4943,673.51 4943,655.51 ; v3@5186.59,563 v3(5188,563) ; v3(5412,560) 5454.8,560 5460.12,565.32 5486.8,592 FB3A.2@5553.57,592
  L1 w30: v3(4940.51,676) 4975,676 5064.19,586.81 5153.18,586.81 5157.83,582.16 5167.43,582.16 v3@5186.59,563
  L4 w13.78: v3@4950.46,677.17 J5A.29@4993.9,677.17
  L4 w19.68: v3(4940.51,676) 4941.68,677.17 v3@4950.46,677.17
  L4 w30: v3(5188,563) v3@5412,563
QSFP_VCCTXB: C41B.1 C42B.1 FB3B.2 J5B.29 | length 771.9
  L1 w15.75: C42B.1@4943,-109.22 4943,-92.52
  L1 w19.68: v3(4940.51,-72.03) 4943,-74.52 4943,-92.52 ; v3@5186.59,-185.03 v3(5188,-185.03) ; v3(5412,-188.03) 5454.8,-188.03 5460.12,-182.71 5486.8,-156.03 5550.57,-156.03 FB3B.2@5553.57,-156.03
  L1 w30: v3(4940.51,-72.03) 4975,-72.03 5064.19,-161.22 5119.79,-161.22 5127.82,-153.19 5154.18,-153.19 5166.86,-165.87 5167.43,-165.87 v3@5186.59,-185.03
  L4 w13.78: v3@4950.46,-70.87 J5B.29@4993.9,-70.87
  L4 w19.68: v3(4940.51,-72.03) 4941.68,-70.87 v3@4950.46,-70.87
  L4 w30: v3(5188,-185.03) v3@5412,-185.03